# Altium PCB slave.PcbDoc (part 3 of 5)
Units mil, origin at the board's own origin, x right, y up, seen from the top; angles counter-clockwise.
Board outline 6299.21 x 3937.01 mil, 6 copper layers (Top Copper, FUSED_VBAT-, Signal Layer 2, Signal Layer 3, VREG, Bot Copper), stack 65.749 mil thick; 419 components, 272 nets, 1250 pads, 1624 vias.
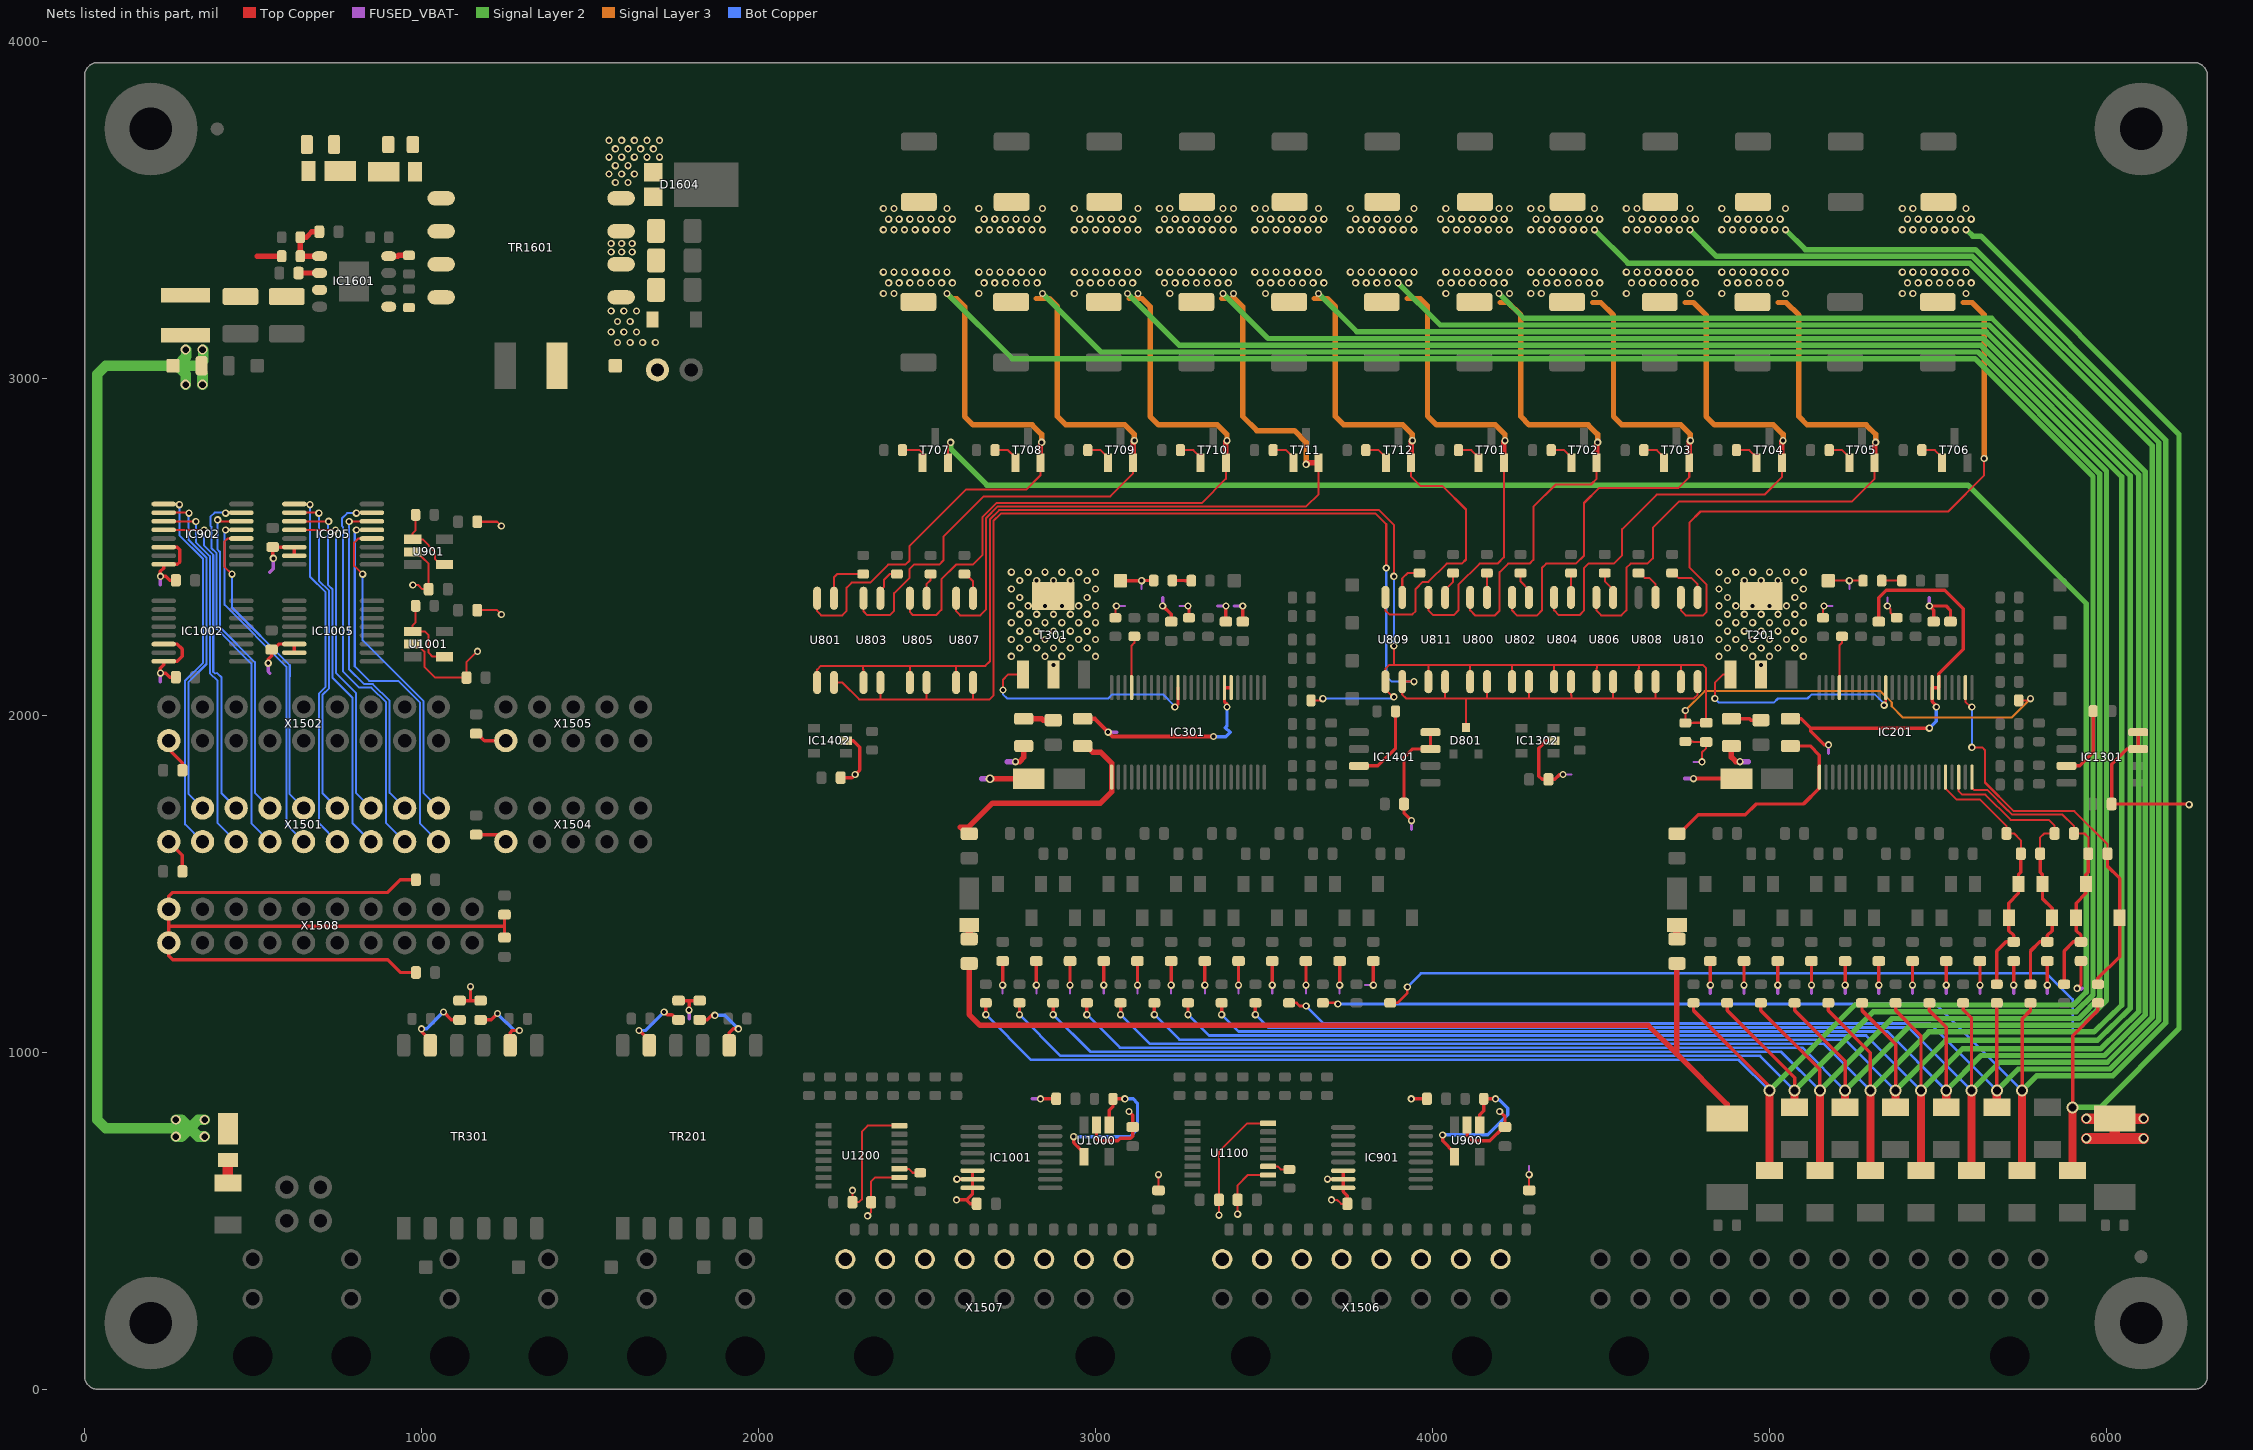
[diagram p7: the nets of this part, all layers, seen from the top]

## Via types
v1: diameter 21.65, hole 11.81, Top Copper to Bot Copper, tented both sides, 1591 vias
v2: diameter 29.53, hole 19.68, Top Copper to Bot Copper, tented both sides, 16 vias
v3: diameter 35.43, hole 23.62, Top Copper to Bot Copper, 13 vias
v4: diameter 25.59, hole 15.75, Top Copper to Bot Copper, tented both sides, 4 vias

## Nets (pads, with @x,y where several pads share a name; then routed paths per layer and width w, separated by ;. In a path a pad name is that pad's centre, name@x,y a point inside that pad or via, vN(x,y) a via of type N, cw(c..) or ccw(c..) an arc to the next point about the centre after c; other vN are vias at no path point) (continued)
FUSED_CELL_0-: F414.2 R507.1 R607.1 R706.1 R712.1 U810.2 | length 7916.8
  Top Copper w6: U810.2@4736.61,2350 4736.61,2311.55 4751.16,2297 4803,2297 4812.5,2306.5 4812.5,2388.45 4761.71,2439.24 4761.71,2571.71 4795,2605 5529.7,2605 5636.71,2712.01 v1(5636.71,2762.01)
  Top Copper w8: R607.1@3874.21,1146.95 3895.93,1146.95 3925,1176.02 v1(3925,1193.75)
  Top Copper w10: v3(5899.21,837.01) 5899.51,1049.51 5974.21,1124.21 R507.1@5974.21,1144.98
  Top Copper w24: F414.2@5899.21,639.57 F414.2@5899.21,649.61 v3(5899.21,837.01)
  Signal Layer 2 w16: v1(5582.68,3440.95) 5584.21,3440.95 5603.37,3421.79 5626.93,3421.79 6215,2833.73 6215,1070.57 5981.44,837.01 v3(5899.21,837.01)
  Signal Layer 3 w15.98: 5575,3225 5600.98,3225 5636.71,3189.27 v1(5636.71,2762.01)
  Bot Copper w8: v1(3925,1193.75) 3965.59,1234.34 5821.67,1234.34 5899.21,1156.79 v3(5899.21,837.01)
  other v1: 5393.71,3251.97 5425.2,3251.97 5582.68,3251.97 5409.46,3283.47 5440.95,3283.47 5472.45,3283.47 5503.94,3283.47 5535.44,3283.47 5566.94,3283.47 5598.43,3283.47 5393.71,3314.97 5425.2,3314.97 5456.7,3314.97 5488.2,3314.97 5519.69,3314.97 5551.19,3314.97 5582.68,3314.97 5393.71,3440.95 5425.2,3440.95 5456.7,3440.95 5488.2,3440.95 5519.69,3440.95 5551.19,3440.95 5409.46,3472.45 5440.95,3472.45 5472.45,3472.45 5503.94,3472.45 5535.44,3472.45 5566.94,3472.45 5598.43,3472.45 5393.71,3503.94 5425.2,3503.94 5582.68,3503.94
FUSED_CELL_1+: F412.2 R505.1 R605.1 R704.1 R710.1 T705.2 U806.2 | length 8249.7
  Top Copper w6: U806.2@4485.92,2350 4485.92,2311.55 4500,2297.47 4500,2297 4560.45,2297 4575,2311.55 4575,2437.5 4587.5,2450 4637.5,2450 4653.5,2466 4653.5,2556.5 4732,2635 5245,2635 5311.71,2701.71 5311.61,2701.81 T705.2@5311.61,2749.61
  Top Copper w8: R605.1@3674.21,1146.95 3715.55,1146.95 v1(3718.75,1143.75)
  Top Copper w10: v3(5749.21,887.01) 5749.21,1099.21 5774.21,1124.21 R505.1@5774.21,1144.98
  Top Copper w16: T705.2@5311.61,2749.61 5311.61,2806.61 v1(5315,2810)
  Top Copper w24: F412.2@5749.21,639.57 F412.2@5749.21,649.61 v3(5749.21,887.01)
  Signal Layer 2 w16: v1(5047.25,3440.95) 5106.41,3381.79 5610.37,3381.79 6175,2817.16 6175,1087.13 6018.53,930.66 5792.86,930.66 v3(5749.21,887.01)
  Signal Layer 3 w16: 5025,3225 5049.04,3225 5086.71,3187.33 5086.71,2887.01 5111.71,2862.01 5286.71,2862.01 5315,2833.72 v1(5315,2810)
  Bot Copper w8: v1(3718.75,1143.75) 5492.47,1143.75 v3(5749.21,887.01)
  other v1: 4858.27,3251.97 5047.25,3251.97 4874.02,3283.47 4905.52,3283.47 4937.01,3283.47 4968.51,3283.47 5000.01,3283.47 5031.5,3283.47 4858.27,3314.97 4889.77,3314.97 4921.27,3314.97 4952.76,3314.97 4984.26,3314.97 5015.76,3314.97 5047.25,3314.97 4858.27,3440.95 4889.77,3440.95 4921.27,3440.95 4952.76,3440.95 4984.26,3440.95 5015.76,3440.95 4874.02,3472.45 4905.52,3472.45 4937.01,3472.45 4968.51,3472.45 5000.01,3472.45 5031.5,3472.45 4858.27,3503.94 5047.25,3503.94
FUSED_CELL_2+: F411.2 R504.1 R604.1 R703.1 R709.1 T704.2 U804.2 | length 8229.3
  Top Copper w6: U804.2@4360.83,2350 4360.83,2311.55 4374.91,2297.47 4435.92,2297.47 4450,2311.55 4450,2437.5 4462.5,2450 4537.66,2450 4562.5,2474.84 4562.5,2552.5 4665,2655 4985,2655 5036.61,2706.61 5036.61,2747.64 T704.2@5036.61,2749.61
  Top Copper w8: R604.1@3574.21,1146.95 3595.93,1146.95 3605.38,1137.5 v1(3625,1137.5)
  Top Copper w10: v3(5674.21,887.01) R504.1@5674.21,1144.98
  Top Copper w12: T704.2@5036.61,2747.64 T704.2@5036.71,2747.74
  Top Copper w16: T704.2@5036.61,2749.61 5036.61,2811.61 v1(5040,2815) ; T704.2@5036.71,2747.74 T704.2@5040,2751.03
  Top Copper w24: F411.2@5674.21,827.07 F411.2@5674.21,837.11 v3(5674.21,887.01)
  Signal Layer 2 w16: v1(4763.79,3440.95) 4842.94,3361.79 5602.08,3361.79 6155,2808.87 6155,1095.42 6010.25,950.66 5737.86,950.66 v3(5674.21,887.01)
  Signal Layer 3 w16: 4750,3225 4774.04,3225 4811.71,3187.33 4811.71,2887.01 4836.71,2862.01 5011.71,2862.01 5040,2833.72 v1(5040,2815)
  Bot Copper w8: v1(3625,1137.5) 3676.67,1085.83 5475.39,1085.83 v3(5674.21,887.01)
  other v1: 4574.81,3251.97 4763.79,3251.97 4590.56,3283.47 4622.05,3283.47 4653.55,3283.47 4685.05,3283.47 4716.54,3283.47 4748.04,3283.47 4779.53,3283.47 4574.81,3314.97 4606.31,3314.97 4637.8,3314.97 4669.3,3314.97 4700.79,3314.97 4732.29,3314.97 4763.79,3314.97 4574.81,3440.95 4606.31,3440.95 4637.8,3440.95 4669.3,3440.95 4700.79,3440.95 4732.29,3440.95 4590.56,3472.45 4622.05,3472.45 4653.55,3472.45 4685.05,3472.45 4716.54,3472.45 4748.04,3472.45 4779.53,3472.45 4574.81,3503.94 4606.31,3503.94 4763.79,3503.94
FUSED_CELL_3+: F410.2 R503.1 R603.1 R702.1 R708.1 T703.2 U802.2 | length 8671.1
  Top Copper w6: U802.2@4235.92,2350 4235.92,2311.08 4250,2297 4310.46,2297 4324.78,2311.32 4324.78,2437.54 4337.24,2450 4425,2450 4449.21,2474.21 4449.21,2630.07 4494.14,2675 4730,2675 4761.61,2706.61 T703.2@4761.61,2749.61
  Top Copper w10: v1(3474.21,1112.01) R603.1@3474.21,1144.98 ; R503.1@5574.21,1144.98 5574.21,1125.79 5599.21,1100.79 v3(5599.21,887.01)
  Top Copper w16: T703.2@4761.61,2749.61 4761.61,2811.61 v1(4765,2815)
  Top Copper w24: F410.2@5599.21,639.57 F410.2@5599.21,649.61 v3(5599.21,887.01)
  Signal Layer 2 w16: v1(4480.32,3440.95) 4579.48,3341.79 5593.8,3341.79 6135,2800.59 6135,1103.7 6001.96,970.66 5682.86,970.66 v3(5599.21,887.01)
  Signal Layer 3 w16: 4475,3225 4499.04,3225 4536.71,3187.33 4536.71,2887.01 4561.71,2862.01 4736.71,2862.01 4765,2833.72 v1(4765,2815)
  Bot Copper w8: v1(3474.21,1112.01) 3512.39,1073.83 5412.39,1073.83 v3(5599.21,887.01)
  other v1: 4291.34,3251.97 4322.84,3251.97 4480.32,3251.97 4307.09,3283.47 4338.59,3283.47 4370.09,3283.47 4401.58,3283.47 4433.08,3283.47 4464.57,3283.47 4496.07,3283.47 4291.34,3314.97 4322.84,3314.97 4354.34,3314.97 4385.83,3314.97 4417.33,3314.97 4448.83,3314.97 4480.32,3314.97 4291.34,3440.95 4322.84,3440.95 4354.34,3440.95 4385.83,3440.95 4417.33,3440.95 4448.83,3440.95 4307.09,3472.45 4338.59,3472.45 4370.09,3472.45 4401.58,3472.45 4433.08,3472.45 4464.57,3472.45 4496.07,3472.45 4291.34,3503.94 4322.84,3503.94 4480.32,3503.94
FUSED_CELL_4+: F409.2 R502.1 R602.1 R701.1 R707.1 T702.2 U800.2 | length 8554.7
  Top Copper w6: U800.2@4111.71,2350 4111.71,2311.55 4125.79,2297.47 4125.79,2297 4185.13,2297 4199.21,2311.08 4199.21,2425.1 4224.11,2450 4287.5,2450 4299.21,2461.71 4299.21,2619.21 4365,2685 4470,2685 4486.71,2701.71 4486.61,2701.81 T702.2@4486.61,2749.61
  Top Copper w10: v1(3374.21,1112.01) R602.1@3374.21,1144.98 ; R502.1@5474.21,1144.98 5474.21,1124.21 5524.21,1074.21 v3(5524.21,887.01)
  Top Copper w16: T702.2@4486.61,2749.61 4486.61,2806.61 v1(4490,2810)
  Top Copper w24: F409.2@5524.21,827.07 F409.2@5524.21,837.11 v3(5524.21,887.01)
  Signal Layer 2 w16: v1(4196.86,3251.97) 4270.5,3178.33 5659.25,3178.33 6115,2722.58 6115,1111.99 5993.68,990.66 5627.86,990.66 v3(5524.21,887.01)
  Signal Layer 3 w16: 4200,3225 4224.04,3225 4261.71,3187.33 4261.71,2887.01 4286.71,2862.01 4461.71,2862.01 4490,2833.72 v1(4490,2810)
  Bot Copper w8: v1(3374.21,1112.01) 3424.39,1061.83 5349.39,1061.83 v3(5524.21,887.01)
  other v1: 4039.38,3251.97 4228.35,3251.97 4023.63,3283.47 4055.12,3283.47 4086.62,3283.47 4118.12,3283.47 4149.61,3283.47 4181.11,3283.47 4212.6,3283.47 4039.38,3314.97 4070.87,3314.97 4102.37,3314.97 4133.86,3314.97 4165.36,3314.97 4196.86,3314.97 4228.35,3314.97 4039.38,3440.95 4070.87,3440.95 4102.37,3440.95 4133.86,3440.95 4165.36,3440.95 4196.86,3440.95 4228.35,3440.95 4023.63,3472.45 4055.12,3472.45 4086.62,3472.45 4118.12,3472.45 4149.61,3472.45 4181.11,3472.45 4212.6,3472.45 4039.38,3503.94 4196.86,3503.94 4228.35,3503.94
FUSED_CELL_5+: F408.2 R501.1 R601.1 R724.1 R730.1 T701.2 U811.2 | length 9005.3
  Top Copper w6: U811.2@3987.5,2350 3987.5,2311.55 4001.58,2297.47 4063.16,2297.47 4076.77,2311.08 4076.77,2387 4139.77,2450 4192.66,2450 4211.61,2468.95 T701.2@4211.61,2749.61
  Top Copper w10: v1(3274.21,1112.01) R601.1@3274.21,1144.98 ; R501.1@5374.21,1144.98 5374.21,1124.21 5449.21,1049.21 v3(5449.21,887.01)
  Top Copper w16: T701.2@4211.61,2749.61 4211.61,2811.61 v1(4215,2815)
  Top Copper w24: F408.2@5449.21,639.57 F408.2@5449.21,649.61 v3(5449.21,887.01)
  Signal Layer 2 w16: v1(3897.64,3283.47) 4022.79,3158.33 5650.97,3158.33 6095,2714.29 6095,1120.27 5982.07,1010.66 5572.86,1010.66 v3(5449.21,887.01)
  Signal Layer 3 w16: 3924.21,3237.01 3962.99,3237.01 3985,3215 3985,2888.72 4011.71,2862.01 4186.71,2862.01 4215,2833.72 v1(4215,2815)
  Bot Copper w8: v1(3274.21,1112.01) 3336.39,1049.83 5286.39,1049.83 v3(5449.21,887.01)
  other v1: 3771.66,3283.47 3803.16,3283.47 3834.65,3283.47 3866.15,3283.47 3929.14,3283.47 3755.91,3314.97 3787.41,3314.97 3818.9,3314.97 3850.4,3314.97 3881.9,3314.97 3913.39,3314.97 3944.89,3314.97 3755.91,3440.95 3787.41,3440.95 3818.9,3440.95 3850.4,3440.95 3881.9,3440.95 3913.39,3440.95 3944.89,3440.95 3771.66,3472.45 3803.16,3472.45 3834.65,3472.45 3866.15,3472.45 3897.64,3472.45 3929.14,3472.45 3755.91,3503.94 3944.89,3503.94
FUSED_CELL_6+: F407.2 R513.1 R613.1 R723.1 R729.1 T712.2 U809.2 | length 9210.3
  Top Copper w6: U809.2@3860,2350 3860,2311.08 3871.57,2299.51 3940,2299.51 3950,2309.51 3950,2375 3971.06,2396.06 3987.52,2396.06 4041.46,2450 4086.62,2450 4099.21,2462.59 4099.21,2610.79 4030,2680 3965,2680 3936.61,2708.39 T712.2@3936.61,2749.61
  Top Copper w10: v1(3174.21,1112.01) R613.1@3174.21,1144.98 ; R513.1@5274.21,1144.98 5274.21,1124.21 5374.21,1024.21 v3(5374.21,887.01)
  Top Copper w16: T712.2@3936.61,2749.61 3936.61,2811.61 v1(3940,2815)
  Top Copper w24: F407.2@5374.21,827.07 F407.2@5374.21,837.11 v3(5374.21,887.01)
  Signal Layer 2 w16: v1(3661.42,3251.97) 3775.07,3138.33 5642.68,3138.33 6070,2711.01 6070,1130.29 5972.18,1035.52 5522.72,1035.52 v3(5374.21,887.01)
  Signal Layer 3 w16: 3649.21,3237.01 3687.99,3237.01 3711.71,3213.29 3711.71,2887.01 3736.71,2862.01 3911.71,2862.01 3940,2833.72 v1(3940,2815)
  Bot Copper w8: v1(3174.21,1112.01) 3248.39,1037.83 5223.39,1037.83 v3(5374.21,887.01)
  other v1: 3503.94,3251.97 3488.19,3283.47 3519.69,3283.47 3551.19,3283.47 3582.68,3283.47 3614.18,3283.47 3645.67,3283.47 3677.17,3283.47 3472.45,3314.97 3503.94,3314.97 3535.44,3314.97 3566.93,3314.97 3598.43,3314.97 3629.93,3314.97 3661.42,3314.97 3472.45,3440.95 3503.94,3440.95 3535.44,3440.95 3566.93,3440.95 3598.43,3440.95 3629.93,3440.95 3661.42,3440.95 3488.19,3472.45 3519.69,3472.45 3551.19,3472.45 3582.68,3472.45 3614.18,3472.45 3645.67,3472.45 3677.17,3472.45 3472.45,3503.94 3503.94,3503.94 3661.42,3503.94
FUSED_CELL_7+: F406.2 R512.1 R612.1 R722.1 R728.1 T711.2 U807.2 | length 10460
  Top Copper w6: U807.2@2586.31,2347.46 2586.31,2309.01 2598.35,2296.97 2658.16,2296.97 2675.52,2314.32 2675.52,2585.52 2710,2620 3625,2620 3661.61,2656.61 T711.2@3661.61,2749.61
  Top Copper w10: v1(3074.21,1112.01) R612.1@3074.21,1144.98 ; R512.1@5174.21,1144.98 5174.21,1124.21 5299.21,999.21 v3(5299.21,887.01)
  Top Copper w16: v1(3625,2745) 3629.61,2749.61 T711.2@3661.61,2749.61
  Top Copper w24: F406.2@5299.21,639.57 F406.2@5299.21,649.61 v3(5299.21,887.01)
  Signal Layer 2 w16: v1(3377.96,3251.97) 3511.6,3118.33 5634.4,3118.33 6045,2707.73 6045,1140.31 5962.48,1060.57 5472.77,1060.57 v3(5299.21,887.01)
  Signal Layer 3 w16: 3374.21,3237.01 3412.99,3237.01 3436.71,3213.29 3436.71,2887.01 3478.72,2845 3590,2845 3625,2810 v1(3625,2745)
  Bot Copper w8: v1(3074.21,1112.01) 3160.39,1025.83 5160.39,1025.83 v3(5299.21,887.01)
  other v1: 3220.48,3251.97 3409.45,3251.97 3204.73,3283.47 3236.23,3283.47 3267.72,3283.47 3299.22,3283.47 3330.71,3283.47 3362.21,3283.47 3393.71,3283.47 3188.98,3314.97 3220.48,3314.97 3251.97,3314.97 3283.47,3314.97 3314.97,3314.97 3346.46,3314.97 3377.96,3314.97 3409.45,3314.97 3188.98,3440.95 3220.48,3440.95 3251.97,3440.95 3283.47,3440.95 3314.97,3440.95 3346.46,3440.95 3377.96,3440.95 3409.45,3440.95 3204.73,3472.45 3236.23,3472.45 3267.72,3472.45 3299.22,3472.45 3330.71,3472.45 3362.21,3472.45 3393.71,3472.45 3188.98,3503.94 3220.48,3503.94 3377.96,3503.94 3409.45,3503.94
FUSED_CELL_8+: F405.2 R511.1 R611.1 R721.1 R727.1 T710.2 U805.2 | length 10419.1
  Top Copper w6: U805.2@2448.81,2347.46 2448.81,2306.91 2458.26,2297.46 2526.37,2297.46 2542.12,2313.21 2542.12,2403.27 2585.82,2446.97 2635.52,2446.97 2663.81,2475.26 2663.81,2587.95 2705.86,2630 3315,2630 3386.71,2701.71 3386.71,2781.07 3386.61,2781.17 T710.2@3386.61,2749.61
  Top Copper w10: v1(2974.21,1112.01) R611.1@2974.21,1144.98 ; R511.1@5074.21,1144.98 5074.21,1124.21 5224.21,974.21 v3(5224.21,887.01)
  Top Copper w16: 3386.61,2781.17 3386.61,2811.61 v1(3390,2815)
  Top Copper w24: F405.2@5224.21,827.07 F405.2@5224.21,837.11 v3(5224.21,887.01)
  Signal Layer 2 w16: v1(3094.49,3251.97) 3248.14,3098.33 5626.11,3098.33 5999.65,2724.79 5999.65,1154.04 5926.19,1080.57 5417.77,1080.57 v3(5224.21,887.01)
  Signal Layer 3 w16: 3099.21,3237.01 3137.99,3237.01 3161.71,3213.29 3161.71,2887.01 3186.71,2862.01 3361.71,2862.01 3390,2833.72 v1(3390,2815)
  Bot Copper w8: v1(2974.21,1112.01) 3072.39,1013.83 5097.39,1013.83 v3(5224.21,887.01)
  other v1: 2937.01,3251.97 3125.99,3251.97 2952.76,3283.47 2984.26,3283.47 3015.75,3283.47 3047.25,3283.47 3078.74,3283.47 3110.24,3283.47 2937.01,3314.97 2968.51,3314.97 3000,3314.97 3031.5,3314.97 3063,3314.97 3094.49,3314.97 3125.99,3314.97 2937.01,3440.95 2968.51,3440.95 3000,3440.95 3031.5,3440.95 3063,3440.95 3094.49,3440.95 3125.99,3440.95 2952.76,3472.45 2984.26,3472.45 3015.75,3472.45 3047.25,3472.45 3078.74,3472.45 3110.24,3472.45 2937.01,3503.94 3125.99,3503.94
FUSED_CELL_9+: F404.2 R510.1 R610.1 R720.1 R726.1 T709.2 U803.2 | length 10707.7
  Top Copper w6: U803.2@2311.31,2347.46 2311.31,2309.01 2322.86,2297.46 2388.8,2297.46 2402.21,2310.87 2402.21,2362.86 2448.02,2408.67 2448.02,2434.47 2460.52,2446.97 2535.52,2446.97 2548.02,2459.47 2548.02,2530.06 2667.96,2650 3043.56,2650 3111.61,2718.05 T709.2@3111.61,2749.61
  Top Copper w10: v1(2874.21,1112.01) R610.1@2874.21,1144.98 ; R510.1@4974.21,1144.98 4974.21,1124.21 5149.21,949.21 v3(5149.21,887.01) v3@5149.51,887.01
  Top Copper w16: T709.2@3111.61,2749.61 3111.61,2811.61 v1(3115,2815)
  Top Copper w24: F404.2@5149.21,639.57 F404.2@5149.21,649.61 v3(5149.21,887.01)
  Signal Layer 2 w16: v1(2842.52,3251.97) 3016.17,3078.33 5617.83,3078.33 5979.65,2716.51 5979.65,1162.32 5917.9,1100.57 5362.77,1100.57 v3(5149.21,887.01)
  Signal Layer 3 w16: 2824.21,3237.01 2862.99,3237.01 2886.71,3213.29 2886.71,2887.01 2911.71,2862.01 3086.71,2862.01 3115,2833.72 v1(3115,2815)
  Bot Copper w8: v1(2874.21,1112.01) 2984.39,1001.83 5034.39,1001.83 v3(5149.21,887.01)
  other v1: 2653.55,3251.97 2669.3,3283.47 2700.79,3283.47 2732.29,3283.47 2763.78,3283.47 2795.28,3283.47 2826.78,3283.47 2653.55,3314.97 2685.04,3314.97 2716.54,3314.97 2748.04,3314.97 2779.53,3314.97 2811.03,3314.97 2842.52,3314.97 2653.55,3440.95 2685.04,3440.95 2716.54,3440.95 2748.04,3440.95 2779.53,3440.95 2811.03,3440.95 2842.52,3440.95 2669.3,3472.45 2700.79,3472.45 2732.29,3472.45 2763.78,3472.45 2795.28,3472.45 2826.78,3472.45 2653.55,3503.94 2842.52,3503.94
FUSED_CELL_10+: F403.2 R509.1 R609.1 R719.1 R725.1 T708.2 U801.2 | length 10706.4
  Top Copper w6: U801.2@2173.81,2347.46 2173.81,2309.01 2185.85,2296.97 2248.32,2296.97 2261.31,2309.96 2261.31,2379.14 2276.01,2393.84 2331.51,2393.84 2384.64,2446.97 2435.52,2446.97 2448.02,2459.47 2448.02,2503.24 2614.78,2670 2794.7,2670 2836.61,2711.91 T708.2@2836.61,2749.61
  Top Copper w10: v1(2774.21,1112.01) R609.1@2774.21,1144.98 ; R509.1@4874.21,1144.98 4874.21,1124.21 5074.21,924.21 v3(5074.21,887.01) v3@5074.51,887.01
  Top Copper w16: T708.2@2836.61,2749.61 2836.61,2806.61 v1(2840,2810)
  Top Copper w24: F403.2@5074.21,827.07 F403.2@5074.21,837.11 v3(5074.21,887.01)
  Signal Layer 2 w16: v1(2559.06,3251.97) 2752.71,3058.33 5609.54,3058.33 5959.65,2708.22 5959.65,1170.6 5909.62,1120.57 5307.77,1120.57 v3(5074.21,887.01)
  Signal Layer 3 w16: v1(2559.06,3251.97) 2574.02,3237.01 2587.99,3237.01 2611.71,3213.29 2611.71,2887.01 2636.71,2862.01 2811.71,2862.01 2840,2833.72 v1(2840,2810)
  Bot Copper w8: v1(2774.21,1112.01) 2896.39,989.83 4971.39,989.83 v3(5074.21,887.01)
  other v1: 2370.08,3251.97 2401.58,3251.97 2385.83,3283.47 2417.33,3283.47 2448.82,3283.47 2480.32,3283.47 2511.82,3283.47 2543.31,3283.47 2574.81,3283.47 2370.08,3314.97 2401.58,3314.97 2433.07,3314.97 2464.57,3314.97 2496.07,3314.97 2527.56,3314.97 2559.06,3314.97 2370.08,3440.95 2401.58,3440.95 2433.07,3440.95 2464.57,3440.95 2496.07,3440.95 2527.56,3440.95 2559.06,3440.95 2385.83,3472.45 2417.33,3472.45 2448.82,3472.45 2480.32,3472.45 2511.82,3472.45 2543.31,3472.45 2574.81,3472.45 2370.08,3503.94 2401.58,3503.94 2559.06,3503.94
FUSED_CELL_11+: F402.2 R508.1 R608.1 T707.2 | length 8907
  Top Copper w6: T707.2@2561.61,2749.61 2561.61,2801.61 v1(2570,2810)
  Top Copper w10: v1(2674.21,1112.01) R608.1@2674.21,1144.98 ; R508.1@4774.21,1144.98 4774.21,1124.21 4999.21,899.21 v3(4999.21,887.01)
  Top Copper w24: F402.2@4999.21,639.57 F402.2@4999.21,649.61 v3(4999.21,887.01)
  Signal Layer 2 w16: v1(2570,2810) 2571.08,2808.92 2571.08,2789.7 2677.52,2683.26 5588.32,2683.26 5939.65,2331.92 5939.65,1178.89 5901.34,1140.57 5252.77,1140.57 v3(4999.21,887.01)
  Bot Copper w8: v1(2674.21,1112.01) 2808.39,977.83 4908.39,977.83 v3(4999.21,887.01)
FUSED_VBAT+: F401.2 R201.1 R301.1 | length 2820
  Top Copper w16: R301.1@2625,1262.6 2625,1112.5 2657.5,1080 4639.94,1080 4725,994.94 ; R201.1@4725,1262.6 4725,994.94 ; F401.2@4874.21,803.15 4874.21,845.73 4725,994.94
FUSED_VBAT-: C201.2 C202.2 C203.1 C204.1 C205.1 C206.1 C207.1 C301.2 C302.2 C303.1 C304.1 C305.1 C306.1 C307.1 C501.2 C502.2 C503.2 C504.2 C505.2 C506.2 C513.2 C514.2 C515.2 C516.2 C517.2 C518.2 C601.2 C602.2 C603.2 C604.2 C605.2 C606.2 C613.2 C614.2 C615.2 C616.2 C617.2 C618.2 C801.1 C901.1 C902.1 C903.1 C904.1 C905.1 C906.1 C907.1 C908.1 C1001.1 C1002.1 C1003.1 C1004.1 C1005.1 C1006.1 C1007.1 C1008.1 C1100.1 C1101.1 C1200.1 C1201.1 C1301.1 C1302.1 C1401.1 C1402.1 C1501.1 C1502.1 C1503.1 C1504.1 C1505.1 C1506.1 C1507.1 C1508.1 C1607.2 C1608.1 C1609.1 C1610.1 D202.2 D302.2 D1605.2 F415.2 IC201.30 IC201.31 IC301.30 IC301.31 IC901.14 IC901.15 IC901.16 IC902.14 IC902.16 IC905.14 IC905.15 IC1001.14 IC1001.15 IC1001.16 IC1002.14 IC1002.16 IC1005.14 IC1005.15 IC1301.3 IC1301.4 IC1302.2 IC1401.3 IC1401.4 IC1402.2 R205.1 R208.1 R220.1 R305.1 R308.1 R320.1 R813.2 TP206.1 TP306.1 TP1603.1 TR1601.8 U900.2 U901.2 U1000.2 U1001.2 U1100.2 U1100.8 U1200.2 U1200.8 X1501.18 X1502.18 X1504.10 X1505.10 X1506.9 X1506.10 X1506.11 X1506.12 X1506.13 X1506.14 X1506.15 X1506.16 X1507.9 X1507.10 X1507.11 X1507.12 X1507.13 X1507.14 X1507.15 X1507.16 X1508.19 X1508.20 X1601.2 | length 14390.4
  Top Copper w6: U1001.2@973.42,2211.61 985.23,2211.61 1001.86,2194.99 1001.91,2194.99 1008.86,2188.05 1008.86,2143.29 1040.14,2112.01 C1007.1@1133.17,2112.01 1133.17,2157.46 v1(1165.65,2189.94) ; U901.2@973.42,2485 985.23,2485 1001.86,2468.38 1001.91,2468.38 1020.67,2449.62 C907.1@1020.67,2374.51 1001.9,2374.51 989.4,2387.01 v1(974.21,2387.01) ; C1005.1@1170.77,2312.01 1224.21,2312.01 v1(1236.71,2299.51) ; C905.1@1170.77,2574.51 1224.21,2574.51 v1(1236.71,2562.01) ; v1(2278.54,590.67) C1200.1@2278.54,555.26 2297.31,555.26 2306.18,564.13 2306.18,764.7 2323.81,782.32 U1200.8@2417.66,782.32 ; v1(2323.81,515) 2333.96,525.15 C1201.1@2333.96,555.26 2333.96,617.05 2345.69,628.78 U1200.2@2417.66,628.78 ; R308.1@3058.59,2291.54 3058.59,2321.38 v1(3061.71,2324.51) ; C1001.1@3186.71,596.06 v1(3186.71,637.01) ; v1(3366.04,516.77) C1101.1@3366.04,562.5 3366.04,705.61 3450,789.57 U1100.8@3512.2,789.57 ; v1(3421.46,520) C1100.1@3421.46,562.5 3421.46,605.59 3451.9,636.02 U1100.2@3512.2,636.02 ; v1(3700,562.5) 3716.47,562.5 3728.48,550.49 C902.1@3747.25,550.49 ; C901.1@4286.71,596.06 v1(4286.71,637.01) ; R813.2@4750,1922.44 4771.72,1922.44 4773.19,1920.97 C801.1@4811.71,1920.97 4811.71,1902.2 4799.21,1889.7 v1(4799.21,1862.01) ; R208.1@5158.59,2291.54 5158.59,2321.38 v1(5161.71,2324.51) ; TP206.1@5174.21,2399.51 v1(5236.71,2399.51) R205.1@5277.44,2399.51 R205.1@5282.19,2399.51 ; v1(5349.21,2324.51) 5358.81,2314.91 5358.81,2304.16 5373.4,2289.57 R220.1@5377.34,2289.57
  Top Copper w10: IC1002.14@234.84,2211.61 275.26,2211.61 290,2196.87 290,2175.17 275.26,2160.43 IC1002.16@234.84,2160.43 234.84,2149.54 225,2139.7 v1(225,2125) 240.49,2125 252.2,2113.29 C1003.1@270.97,2113.29 ; IC902.14@234.84,2499.11 275.26,2499.11 282.33,2492.05 282.33,2455 275.26,2447.93 IC902.16@234.84,2447.93 234.84,2437.04 225,2427.2 v1(225,2412.5) 240.49,2412.5 252.2,2400.79 C903.1@270.97,2400.79 ; X1501.18@250,1625 290.25,1584.75 C1501.1@290.25,1537.01 ; X1502.18@250,1925 250,1899.96 290.25,1859.71 C1502.1@290.25,1837.01 ; v1(545,2155) 545,2166.24 555,2176.24 C1008.1@555,2195 558.94,2195 575.55,2211.61 IC1005.14@622.34,2211.61 IC1005.15@622.34,2186.02 ; v1(560,2466) 558,2468 C908.1@558,2499.46 580.7,2499.46 581.04,2499.11 IC905.14@622.34,2499.11 IC905.15@622.34,2473.52 ; C1508.1@977.66,1237.01 936.71,1237.01 899.21,1274.51 261.71,1274.51 250,1286.22 X1508.20@250,1325 250,1375 ; C1505.1@977.66,1512.01 936.71,1512.01 899.21,1474.51 261.71,1474.51 250,1462.8 X1508.19@250,1425 250,1375 ; C307.1@1112.5,1153.54 1145,1153.54 ; v1(1145,1195) 1145,1153.54 ; C1503.1@1161.71,1645.97 1229.03,1645.97 X1504.10@1250,1625 ; C1504.1@1161.71,1945.97 1165.65,1945.97 1186.61,1925 X1505.10@1250,1925 ; C304.1@1175,1153.54 1145,1153.54 ; C1507.1@1246.09,1346.06 1246.09,1374.51 ; C1506.1@1246.09,1402.95 1246.09,1374.51 ; C207.1@1762.5,1153.54 1793.75,1153.54 ; v1(1793.75,1125) 1793.75,1153.54 ; C204.1@1825,1153.54 1793.75,1153.54 ; C1402.1@2243.54,1815 2277.2,1815 v1(2286.71,1824.51) 2300,1837.8 2300,1905.18 2280.67,1924.51 IC1402.2@2258.95,1924.51 ; v1(2587.5,562.5) 2616.47,562.5 ; v1(2588.09,623.52) IC1001.15@2634.84,623.52 ; IC1001.14@2634.84,649.11 IC1001.15@2634.84,623.52 ; C1002.1@2647.25,550.49 2628.48,550.49 2616.47,562.5 ; v1(2724.21,1199.51) C613.2@2724.21,1265.45 ; v1(2824.21,1199.51) C614.2@2824.21,1265.45 ; v1(2836.71,862.01) C1004.1@2877.66,862.01 ; v1(2924.21,1199.51) C615.2@2924.21,1265.45 ; U1000.2@3002.75,784.74 3002.75,744.59 3009.84,737.5 3065.53,737.5 3073.25,745.22 3103.74,745.22 3110,751.48 C1006.1@3110,778.54 3110,813.72 v1(3099.21,824.51) ; v1(3024.21,1199.51) C616.2@3024.21,1265.45 ; TP306.1@3074.21,2399.51 v1(3136.71,2399.51) 3137.2,2400 R305.1@3172.44,2400 ; v1(3124.21,1199.51) C617.2@3124.21,1265.45 ; v1(3199.21,2324.51) 3224.21,2299.51 C303.1@3224.21,2278.05 ; v1(3224.21,1199.51) C618.2@3224.21,1265.45 ; v1(3274.21,2324.51) 3277.34,2321.38 R320.1@3277.34,2289.57 ; v1(3324.21,1199.51) C601.2@3324.21,1265.45 ; C306.1@3386.71,2283.56 v1(3386.71,2324.51) ; v1(3390,2025) 3390,2033.46 3382.48,2040.98 IC301.31@3382.48,2082.38 IC301.30@3402.16,2082.38 ; v1(3424.21,1199.51) C602.2@3424.21,1265.45 ; C305.1@3436.71,2283.56 v1(3436.71,2324.51) ; v1(3524.21,1199.51) C603.2@3524.21,1265.45 ; v1(3624.21,1199.51) C604.2@3624.21,1265.45 ; v1(3688.09,623.52) IC901.15@3734.84,623.52 ; v1(3724.21,1199.51) C605.2@3724.21,1265.45 ; IC901.14@3734.84,649.11 IC901.15@3734.84,623.52 ; C902.1@3747.25,550.49 3747.25,574.64 3734.84,587.04 IC901.16@3734.84,597.93 IC901.15@3734.84,623.52 ; v1(3824.21,1199.51) C606.2@3824.21,1265.45 ; v1(3936.71,862.01) C904.1@3977.66,862.01 ; v1(3937.5,1687.5) 3915.25,1709.75 C1401.1@3915.25,1737.01 3915.25,1875.25 3940,1900 IC1401.3@3993.8,1900 IC1401.4@3993.8,1950 ; U900.2@4102.37,784.74 4102.37,752.48 4117.34,737.5 4170.02,737.5 4211.06,778.54 C906.1@4215,778.54 4215,808.72 v1(4199.21,824.51) ; IC1302.2@4358.95,1924.51 4337.24,1924.51 4315,1902.27 4315,1819.78 4324.78,1810 C1302.1@4343.54,1810 4362.31,1810 4376.82,1824.51 v1(4386.71,1824.51) ; v1(4824.21,1199.51) C513.2@4824.21,1265.45 ; v1(4924.21,1199.51) C514.2@4924.21,1265.45 ; v1(5024.21,1199.51) C515.2@5024.21,1265.45 ; C202.2@5061.71,1989.86 5094.25,1989.86 5122.11,1962.01 5122.11,1952.89 5162.5,1912.5 v1(5175,1912.5) ; v1(5124.21,1199.51) C516.2@5124.21,1265.45 ; 5125.49,1962.01 v1(5474.21,1962.01) ; v1(5224.21,1199.51) C517.2@5224.21,1265.45 ; v1(5324.21,1199.51) C518.2@5324.21,1265.45 ; C203.1@5324.21,2278.05 5324.21,2349.51 5345.52,2370.82 5520,2370.82 5575,2315.82 5575,2196.62 5502.16,2123.79 IC201.30@5502.16,2082.38 IC201.31@5482.48,2082.38 5482.48,2040.98 5495,2028.46 v1(5495,2025) ; v1(5424.21,1199.51) C501.2@5424.21,1265.45 ; C206.1@5486.71,2283.56 5486.71,2312.01 v1(5474.21,2324.51) 5524.21,2324.51 5536.71,2312.01 C205.1@5536.71,2283.56 ; v1(5524.21,1199.51) C502.2@5524.21,1265.45 ; v1(5624.21,1199.51) C503.2@5624.21,1265.45 ; v1(5724.21,1199.51) C504.2@5724.21,1265.45 ; v1(5824.21,1199.51) C505.2@5824.21,1265.45 ; v1@5912.82,1195.32 v1(5912.82,1190) 5924.21,1201.39 C506.2@5924.21,1265.45 ; IC1301.4@6093.8,1950 IC1301.3@6093.8,1900 6060.27,1900 6015.25,1854.98 C1301.1@6015.25,1737.01 6242.99,1737.01 v1(6245,1735) ; 250,1375 250.49,1374.51 1246.09,1374.51 ; 2616.47,562.5 2617.18,562.5 2634.84,580.16 IC1001.16@2634.84,597.93 IC1001.15@2634.84,623.52